# Altium PCB volt_sensor_breakout.PcbDoc (part 1 of 2) (continued)
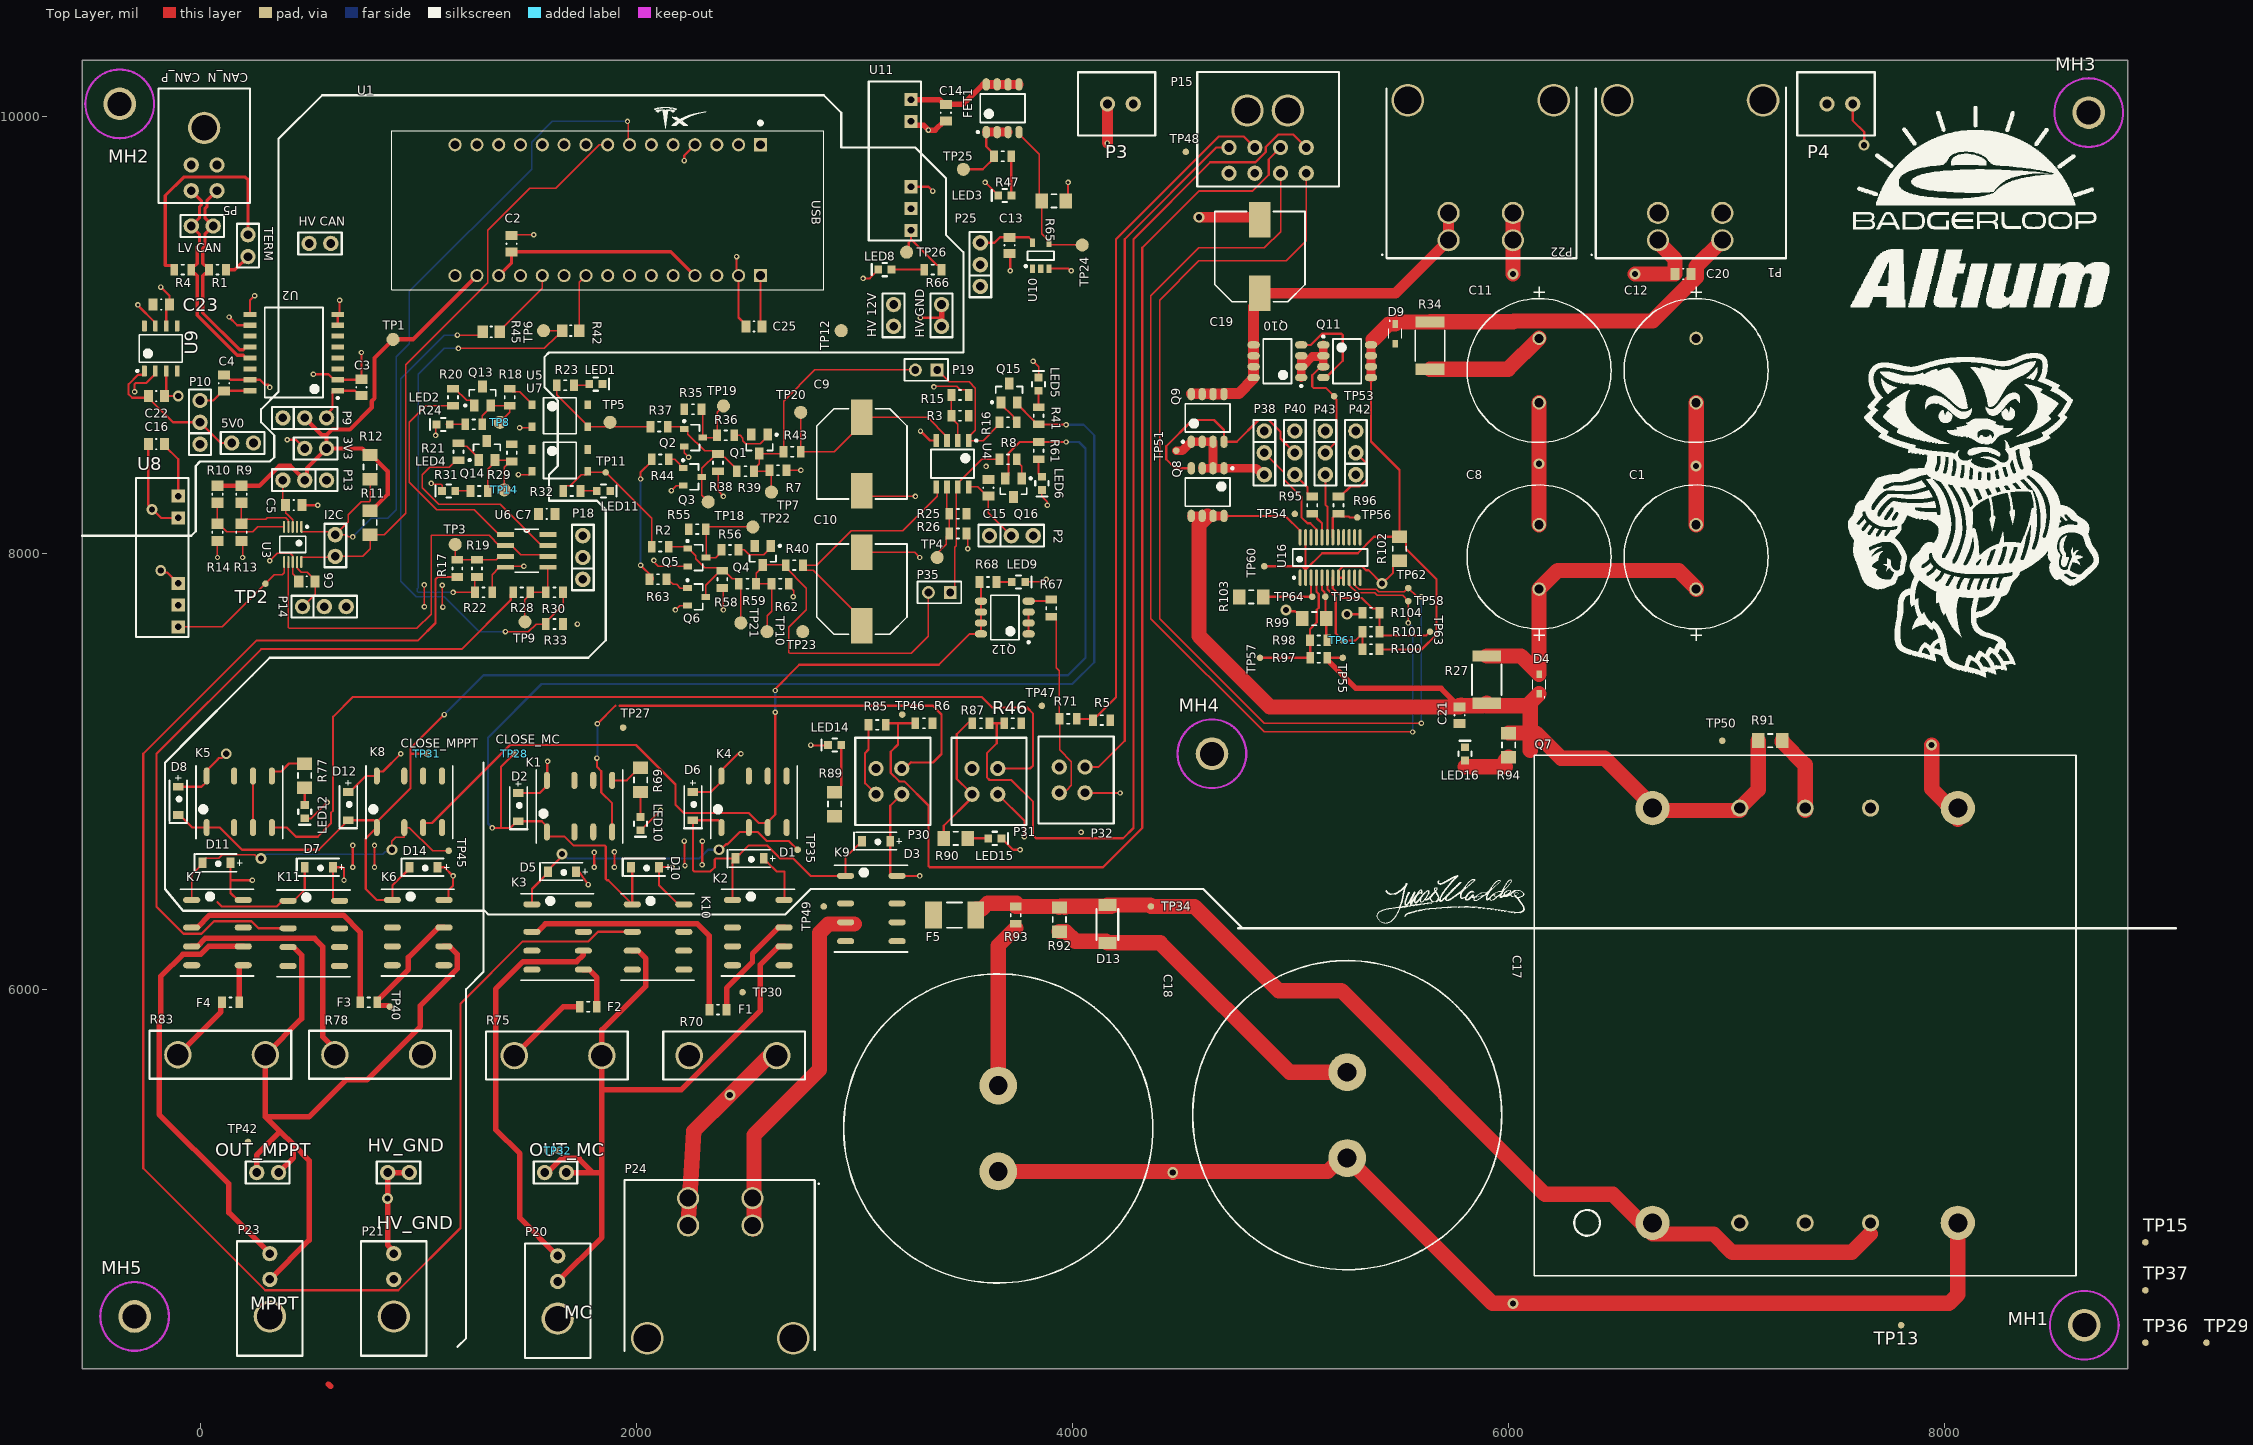
[diagram p0: Top Layer view]
## Part data (continued)
R1 R4: library part CMP-009-01480-1, "RES SMD 60.4 OHM 1% 1/8W 0805", Digi-Key Part Number=P60.4CCT-ND, Manufacturer="Panasonic Electronic Components", Operating Temperature="-55°C ~ 155°C", Package / Case="0805 (2012 Metric)", Power (Watts)="0.125W, 1/8W", Supplier Device Package=0805, Temperature Coefficient=±100ppm/°C, Tolerance=1%, @ qty=1500, Composition="Thick Film", Datasheets=http://industrial.panasonic.com/www-cgi/jvcr13pz.cgi?E+PZ+3+AOA0002+ERJ6ENF60R4V+7+WW, Design Item ID=ERJ-6ENF60R4V, Factory Stock=0, Failure Rate=-, Features="Automotive AEC-Q200", Height - Seated (Max)="0.028\" (0.70mm)", Image=//media.digikey.com/Renders/Panasonic%20Renders/ERJ-0805%20Pkg.jpg, Minimum Quantity=1, Number of Terminations=2, Packaging="Cut Tape (CT)", Part Number=ERJ-6ENF60R4V, Part Status=Active, Quantity Available=57422, Series=ERJ, Size / Dimension="0.079\" L x 0.049\" W (2.00mm x 1.25mm)", Source=resistors.SchLib, Unit Price (USD)=0.00729
R2 R37: library part CMP-009-01342-1, "RES SMD 3.6K OHM 1% 1/8W 0805", Digi-Key Part Number=P3.60KCCT-ND, Manufacturer="Panasonic Electronic Components", Operating Temperature="-55°C ~ 155°C", Package / Case="0805 (2012 Metric)", Power (Watts)="0.125W, 1/8W", Supplier Device Package=0805, Temperature Coefficient=±100ppm/°C, Tolerance=1%, @ qty=1500, Composition="Thick Film", Datasheets=http://industrial.panasonic.com/www-cgi/jvcr13pz.cgi?E+PZ+3+AOA0002+ERJ6ENF3601V+7+WW, Design Item ID=ERJ-6ENF3601V, Factory Stock=0, Failure Rate=-, Features="Automotive AEC-Q200", Height - Seated (Max)="0.028\" (0.70mm)", Image=//media.digikey.com/Renders/Panasonic%20Renders/ERJ-0805%20Pkg.jpg, Minimum Quantity=1, Number of Terminations=2, Packaging="Cut Tape (CT)", Part Number=ERJ-6ENF3601V, Part Status=Active, Quantity Available=32253, Series=ERJ, Size / Dimension="0.079\" L x 0.049\" W (2.00mm x 1.25mm)", Source=resistors.SchLib, Unit Price (USD)=0.00729
R3 R15 R25 R26: library part ERJ-6ENF6651V, "RES SMD 6.65K OHM 1% 1/8W 0805", Digi-Key Part Number=P6.65KCCT-ND, Manufacturer="Panasonic Electronic Components", Operating Temperature="-55°C ~ 155°C", Package / Case="0805 (2012 Metric)", Power (Watts)="0.125W, 1/8W", Supplier Device Package=0805, Temperature Coefficient=±100ppm/°C, Tolerance=±1%, @ qty=1500, Composition="Thick Film", Datasheets=http://industrial.panasonic.com/www-cgi/jvcr13pz.cgi?E+PZ+3+AOA0002+ERJ6ENF6651V+7+WW, Factory Stock=0, Failure Rate=-, Features="Automotive AEC-Q200", Height - Seated (Max)="0.028\" (0.70mm)", Image=//media.digikey.com/Renders/Panasonic%20Renders/ERJ-0805%20Pkg.jpg, Minimum Quantity=1, Number of Terminations=2, Packaging="Cut Tape (CT)", Part Number=ERJ-6ENF6651V, Part Status=Active, Quantity Available=36879, Series=ERJ, Size / Dimension="0.079\" L x 0.049\" W (2.00mm x 1.25mm)", Unit Price (USD)=0.00729
R5 R6 R46: library part ERJ-6ENF2551V, "RES SMD 2.55K OHM 1% 1/8W 0805", Digi-Key Part Number=P2.55KCCT-ND, Manufacturer="Panasonic Electronic Components", Operating Temperature="-55°C ~ 155°C", Package / Case="0805 (2012 Metric)", Power (Watts)="0.125W, 1/8W", Supplier Device Package=0805, Temperature Coefficient=±100ppm/°C, Tolerance=±1%, @ qty=1500, Composition="Thick Film", Datasheets=http://industrial.panasonic.com/www-cgi/jvcr13pz.cgi?E+PZ+3+AOA0002+ERJ6ENF2551V+7+WW, Factory Stock=0, Failure Rate=-, Features="Automotive AEC-Q200", Height - Seated (Max)="0.028\" (0.70mm)", Image=//media.digikey.com/Renders/Panasonic%20Renders/ERJ-0805%20Pkg.jpg, Minimum Quantity=1, Number of Terminations=2, Packaging="Cut Tape (CT)", Part Number=ERJ-6ENF2551V, Part Status=Active, Quantity Available=10942, Series=ERJ, Size / Dimension="0.079\" L x 0.049\" W (2.00mm x 1.25mm)", Unit Price (USD)=0.00729
R7 R8 R16 R18 R29 R35 R36 R39 R40 R44 R55 R56 R59 R63 R67: library part CMP-009-02659-1, "RES SMD 1K OHM 1% 1/2W 0805", Digi-Key Part Number=P16058CT-ND, Manufacturer="Panasonic Electronic Components", Operating Temperature="-55°C ~ 155°C", Package / Case="0805 (2012 Metric)", Power (Watts)="0.5W, 1/2W", Supplier Device Package=0805, Temperature Coefficient=±100ppm/°C, Tolerance=1%, @ qty=1500, Composition="Thick Film", Datasheets=https://industrial.panasonic.com/cdbs/www-data/pdf/RDA0000/AOA0000C243.pdf, Design Item ID=ERJ-P06F1001V, Factory Stock=0, Failure Rate=-, Features="Automotive AEC-Q200, Pulse Withstanding", Image=//media.digikey.com/Renders/Panasonic%20Renders/ERJ-0805%20Pkg.jpg, Minimum Quantity=1, Number of Terminations=2, Packaging="Cut Tape (CT)", Part Number=ERJ-P06F1001V, Part Status=Active, Quantity Available=161264, Series=ERJ, Source=resistors.SchLib, Unit Price (USD)=0.02534
  R7 R8 R16 R35 R36 R39 R40 R44 R55 R56 R59 R63 R67: Height - Seated (Max)="0.028\" (0.70mm)", Size / Dimension="0.079\" L x 0.049\" W (2.00mm x 1.25mm)"
R9 R10 R13 R14 R42 R45: library part CMP-009-00007-5, "Chip Resistor, 0 Ohm, 0.125 W, -55 to 155 degC, 0805 (2012 Metric)", Case/Package=0805, Max Operating Temperature=155°C, Min Operating Temperature=-55°C, Power=125mW, Tolerance=5%, Voltage Rating=50V, Mounting Technology=SM, Pins=2, RoHS Compliant=True
R11 R12: library part CMP-009-00681-1, "RES SMD 10K OHM 5% 2/3W 1206", Digi-Key Part Number=P10KALCT-ND, Manufacturer="Panasonic Electronic Components", Operating Temperature="-55°C ~ 155°C", Package / Case="1206 (3216 Metric)", Power (Watts)="0.667W, 2/3W", Supplier Device Package=1206, Temperature Coefficient=±200ppm/°C, Tolerance=5%, @ qty=1500, Composition="Thick Film", Datasheets=https://industrial.panasonic.com/cdbs/www-data/pdf/RDA0000/AOA0000C243.pdf, Design Item ID=ERJ-P08J103V, Factory Stock=0, Failure Rate=-, Features="Automotive AEC-Q200, Pulse Withstanding", Image=//media.digikey.com/Renders/Panasonic%20Renders/ERJ-1206%20Pkg.jpg, Minimum Quantity=1, Number of Terminations=2, Packaging="Cut Tape (CT)", Part Number=ERJ-P08J103V, Part Status=Active, Quantity Available=46069, Series=ERJ, Source=resistors.SchLib, Unit Price (USD)=0.02178
R17 R19 R22 R28 R30 R33: library part CMP-009-01751-1, "RES SMD 7.5K OHM 5% 1/8W 0805", Digi-Key Part Number=P7.5KACT-ND, Manufacturer="Panasonic Electronic Components", Operating Temperature="-55°C ~ 155°C", Package / Case="0805 (2012 Metric)", Power (Watts)="0.125W, 1/8W", Supplier Device Package=0805, Temperature Coefficient=±200ppm/°C, Tolerance=5%, @ qty=1500, Composition="Thick Film", Datasheets=http://industrial.panasonic.com/www-cgi/jvcr13pz.cgi?E+PZ+3+AOA0001+ERJ6GEYJ752V+7+WW, Design Item ID=ERJ-6GEYJ752V, Factory Stock=0, Failure Rate=-, Features="Automotive AEC-Q200", Image=//media.digikey.com/Renders/Panasonic%20Renders/ERJ-0805%20Pkg.jpg, Minimum Quantity=1, Number of Terminations=2, Packaging="Cut Tape (CT)", Part Number=ERJ-6GEYJ752V, Part Status=Active, Quantity Available=39543, Series=ERJ, Source=resistors.SchLib, Unit Price (USD)=0.00496
R20 R21 R95 R96: library part ERJ-6GEYJ100V, "RES SMD 10 OHM 5% 1/8W 0805", Digi-Key Part Number=P10ACT-ND, Manufacturer="Panasonic Electronic Components", Operating Temperature="-55°C ~ 155°C", Package / Case="0805 (2012 Metric)", Power (Watts)="0.125W, 1/8W", Supplier Device Package=0805, Temperature Coefficient=±200ppm/°C, Tolerance=±5%, @ qty=1500, Composition="Thick Film", Datasheets=http://industrial.panasonic.com/www-cgi/jvcr13pz.cgi?E+PZ+3+AOA0001+ERJ6GEYJ100V+7+WW, Factory Stock=0, Failure Rate=-, Features="Automotive AEC-Q200", Height - Seated (Max)="0.028\" (0.70mm)", Image=//media.digikey.com/Renders/Panasonic%20Renders/ERJ-0805%20Pkg.jpg, Minimum Quantity=1, Number of Terminations=2, Packaging="Cut Tape (CT)", Part Number=ERJ-6GEYJ100V, Part Status=Active, Quantity Available=282033, Series=ERJ, Size / Dimension="0.079\" L x 0.049\" W (2.00mm x 1.25mm)", Unit Price (USD)=0.00496
R23 R24 R31 R32 R41 R47 R61 R66 R68: library part CMP-009-00645-1, "RES SMD 510 OHM 5% 1/2W 0805", Digi-Key Part Number=P510ADCT-ND, Manufacturer="Panasonic Electronic Components", Operating Temperature="-55°C ~ 155°C", Package / Case="0805 (2012 Metric)", Power (Watts)="0.5W, 1/2W", Supplier Device Package=0805, Temperature Coefficient=±200ppm/°C, Tolerance=5%, @ qty=1500, Composition="Thick Film", Datasheets=https://industrial.panasonic.com/cdbs/www-data/pdf/RDA0000/AOA0000C243.pdf, Design Item ID=ERJ-P06J511V, Factory Stock=0, Failure Rate=-, Features="Automotive AEC-Q200, Pulse Withstanding", Height - Seated (Max)="0.028\" (0.70mm)", Image=//media.digikey.com/Renders/Panasonic%20Renders/ERJ-0805%20Pkg.jpg, Minimum Quantity=1, Number of Terminations=2, Packaging="Cut Tape (CT)", Part Number=ERJ-P06J511V, Part Status=Active, Quantity Available=54515, Series=ERJ, Size / Dimension="0.079\" L x 0.049\" W (2.00mm x 1.25mm)", Source=resistors.SchLib, Unit Price (USD)=0.01839
R27 R34: library part CMP-009-02795-1, "Fixed Resistor, Metal Glaze/thick Film, 1W, 5.6ohm, 200V, 5% +/-Tol, 400ppm/Cel, Surface Mount, 2512", Max Operating Temperature=155°C, Min Operating Temperature=-55°C, Tolerance=5%, RoHS Compliant=Yes
R38 R43 R58 R62: library part CMP-009-01343-1, "RES SMD 36K OHM 1% 1/8W 0805", Digi-Key Part Number=P36.0KCCT-ND, Manufacturer="Panasonic Electronic Components", Operating Temperature="-55°C ~ 155°C", Package / Case="0805 (2012 Metric)", Power (Watts)="0.125W, 1/8W", Supplier Device Package=0805, Temperature Coefficient=±100ppm/°C, Tolerance=1%, @ qty=1500, Composition="Thick Film", Datasheets=http://industrial.panasonic.com/www-cgi/jvcr13pz.cgi?E+PZ+3+AOA0002+ERJ6ENF3602V+7+WW, Design Item ID=ERJ-6ENF3602V, Factory Stock=0, Failure Rate=-, Features="Automotive AEC-Q200", Height - Seated (Max)="0.028\" (0.70mm)", Image=//media.digikey.com/Renders/Panasonic%20Renders/ERJ-0805%20Pkg.jpg, Minimum Quantity=1, Number of Terminations=2, Packaging="Cut Tape (CT)", Part Number=ERJ-6ENF3602V, Part Status=Active, Quantity Available=42552, Series=ERJ, Size / Dimension="0.079\" L x 0.049\" W (2.00mm x 1.25mm)", Source=resistors.SchLib, Unit Price (USD)=0.00729
R65: library part CMP-009-01876-1, "RES SMD 10K OHM 1% 1/4W 1206", Digi-Key Part Number=P10.0KFCT-ND, Manufacturer="Panasonic Electronic Components", Operating Temperature="-55°C ~ 155°C", Package / Case="1206 (3216 Metric)", Power (Watts)="0.25W, 1/4W", Supplier Device Package=1206, Temperature Coefficient=±100ppm/°C, Tolerance=1%, @ qty=1500, Composition="Thick Film", Datasheets=http://industrial.panasonic.com/www-cgi/jvcr13pz.cgi?E+PZ+3+AOA0002+ERJ8ENF1002V+7+WW, Design Item ID=ERJ-8ENF1002V, Factory Stock=0, Failure Rate=-, Features="Automotive AEC-Q200", Height - Seated (Max)="0.028\" (0.70mm)", Image=//media.digikey.com/Renders/Panasonic%20Renders/ERJ-1206%20Pkg.jpg, Minimum Quantity=1, Number of Terminations=2, Packaging="Cut Tape (CT)", Part Number=ERJ-8ENF1002V, Part Status=Active, Quantity Available=1108398, Series=ERJ, Size / Dimension="0.126\" L x 0.063\" W (3.20mm x 1.60mm)", Source=resistors.SchLib, Unit Price (USD)=0.00933
R69 R77 R89 R90 R94: "Fixed Resistor, Metal Glaze/thick Film, 0.25W, 510ohm, 200V, 1% +/-Tol, 100ppm/Cel, Surface Mount, 1206", Manufacturer="Stackpole Electronics", Max Operating Temperature=155°C, Min Operating Temperature=-55°C, Package Height=0.55mm, Package Length=3.2mm, Package Shape=Rectangular, Package Style=SMTMeter, Package Width=1.6mm, Rated Power Dissipation (P)=250mW, Rated Temperature=70°C, Resistance=510, Resistor Type="FIXED RESISTOR", Supplier Part Number 1=RMCF1206FT510RCT-ND, Temperature Coefficient=100ppm/°C, Tolerance=1%, Working Voltage=200V, Category="Chip SMD Resistors", ComponentLink1Description=https://datasheet.ciiva.com:443/pdfs/VipMasterIC/IC/SEIE/SEIE-S-A0009541969/SEIE-S-A0009541969-1.pdf?src-supplier=IHS+Markit, ComponentLink1URL=https://datasheet.ciiva.com:443/pdfs/VipMasterIC/IC/SEIE/SEIE-S-A0009541969/SEIE-S-A0009541969-1.pdf?src-supplier=IHS+Markit, ComponentLink2Description=http://components.arrow.com/part/dataview/40948710S9551678N1174?src-supplier=Arrow+Electronics, ComponentLink2URL=http://components.arrow.com/part/dataview/40948710S9551678N1174?src-supplier=Arrow+Electronics, ComponentLink3Description=https://www.seielect.com/Catalog/SEI-RMCF_RMCP.pdf?src-supplier=Digi-Key, ComponentLink3URL=https://www.seielect.com/Catalog/SEI-RMCF_RMCP.pdf?src-supplier=Digi-Key, ComponentLink4Description=https://www.seielect.com/catalog/SEI-Packaging.pdf?src-supplier=Digi-Key, ComponentLink4URL=https://www.seielect.com/catalog/SEI-Packaging.pdf?src-supplier=Digi-Key, ComponentLink5Description=https://www.seielect.com/catalog/SEI-RMCF_RMCP.pdf?src-supplier=Avnet, ComponentLink5URL=https://www.seielect.com/catalog/SEI-RMCF_RMCP.pdf?src-supplier=Avnet, Construction=Rectangular, JESD-609 Code=e3, Manufacturer Part Number=RMCF1206FT510R, Mount="Surface Mount", Number of Pins=2, Packaging="Tape and Reel", Pricing 1="1=0.10000, 10=0.03600, 100=0.01460, 1000=0.00655, 2500=0.00569 (USD)", REACH SVHC=Yes, Reference Standard=AEC-Q200, RoHS=Yes, RoHS Compliant=Yes, Size Code=1206, Stock 1=51, Supplier 1=Digi-Key, Technology="METAL GLAZE/THICK FILM", Terminal Finish=Nickel, Termination=Wraparound
R70 R75 R78 R83: "Fixed Resistor, 100W, 220ohm, 700V, 5% +/-Tol, 100ppm/Cel, Through Hole Mount", Manufacturer=Ohmite, Max Operating Temperature=175°C, Min Operating Temperature=-65°C, Package Shape=Rectangular, Rated Power Dissipation (P)=3.5W, Rated Temperature=25°C, Resistance=220R, Resistor Type="FIXED RESISTOR", Supplier Part Number 1=AP101220RJ-ND, Temperature Coefficient=100ppm/°C, Tolerance=5%, Working Voltage=700V, Category="Through-Hole Resistors", ComponentLink1Description=https://datasheet.ciiva.com:443/pdfs/VipMasterIC/IC/OMIT/OMIT-S-A0001298920/OMIT-S-A0001298920-1.pdf?src-supplier=IHS+Markit, ComponentLink1URL=https://datasheet.ciiva.com:443/pdfs/VipMasterIC/IC/OMIT/OMIT-S-A0001298920/OMIT-S-A0001298920-1.pdf?src-supplier=IHS+Markit, ComponentLink2Description=http://www.farnell.com/datasheets/2015590.pdf?src-supplier=Farnell, ComponentLink2URL=http://www.farnell.com/datasheets/2015590.pdf?src-supplier=Farnell, ComponentLink3Description=http://www.mouser.com/ds/2/303/acl_ap101-773331.pdf?src-supplier=Mouser, ComponentLink3URL=http://www.mouser.com/ds/2/303/acl_ap101-773331.pdf?src-supplier=Mouser, ComponentLink4Description=http://www.ohmite.com/cat/acl_ap101.pdf?src-supplier=Digi-Key, ComponentLink4URL=http://www.ohmite.com/cat/acl_ap101.pdf?src-supplier=Digi-Key, Manufacturer Part Number=AP101220RJ, Mount="Through Hole", Number of Pins=2, Pricing 1="1=6.63000, 10=6.21800, 35=5.80343, 70=5.11271, 105=4.42171, 245=4.00722, 455=3.73086, 945=3.67501 (USD)", REACH SVHC=Yes, RoHS=Yes, RoHS Compliant=Yes, Stock 1=44, Supplier 1=Digi-Key, Termination=Flat
R71 R85 R87: library part CRCW08053K46FKTA, "Fixed Resistor, Metal Glaze/thick Film, 0.125W, 3460ohm, 150V, 1% +/-Tol, 100ppm/Cel, Surface Mount, 0805", Manufacturer="Vishay Dale", Resistor Type="FIXED RESISTOR", Supplier Part Number 1=71-CRCW0805-3.46K, Category="Chip SMD Resistors", ComponentLink1Description=https://datasheet.ciiva.com:443/pdfs/VipMasterIC/IC/VISH/VISHS12541/VISHS12541-1.pdf?src-supplier=IHS+Markit, ComponentLink1URL=https://datasheet.ciiva.com:443/pdfs/VipMasterIC/IC/VISH/VISHS12541/VISHS12541-1.pdf?src-supplier=IHS+Markit, ComponentLink2Description=http://www.vishay.com/docs/20008/dcrcw.pdf?src-supplier=Digi-Key, ComponentLink2URL=http://www.vishay.com/docs/20008/dcrcw.pdf?src-supplier=Digi-Key, ComponentLink3Description=http://www.vishay.com/doc?20008?src-supplier=Mouser, ComponentLink3URL=http://www.vishay.com/doc?20008?src-supplier=Mouser, Manufacturer Part Number=CRCW08053K46FKTA, Number of Pins=2, Pricing 1="1=0.17000, 10=0.13500, 50=0.13500, 100=0.05200, 1000=0.02300, 10000=0.01900 (USD)", REACH SVHC="No SVHC", RoHS=No, RoHS Compliant=No, Stock 1=3820, Supplier 1=Mouser
R91: library part ERJ-8ENF9313V, "Fixed Resistor, Metal Glaze/thick Film, 0.5W, 470ohm, 200V, 1% +/-Tol, 100ppm/Cel, Surface Mount, 1206", Digi-Key Part Number=P931KFCT-ND, Manufacturer="Panasonic Electronic Components", Manufacturer Part Number=RCC1206470RFKEA, Operating Temperature="-55°C ~ 155°C", Package / Case="1206 (3216 Metric)", Power (Watts)="0.25W, 1/4W", Supplier Device Package=1206, Supplier Part Number 1=71-RCC1206470RFKEA, Temperature Coefficient=±100ppm/°C, Tolerance=±1%, @ qty=1500, Composition="Thick Film", Datasheets=http://industrial.panasonic.com/www-cgi/jvcr13pz.cgi?E+PZ+3+AOA0002+ERJ8ENF9313V+7+WW, Factory Stock=0, Failure Rate=-, Features="Automotive AEC-Q200", Height - Seated (Max)="0.028\" (0.70mm)", Image=//media.digikey.com/Renders/Panasonic%20Renders/ERJ-1206%20Pkg.jpg, Minimum Quantity=1, Number of Terminations=2, Packaging="Cut Tape (CT)", Part Number=ERJ-8ENF9313V, Part Status=Active, Pricing 1="1=0.32000, 10=0.27600, 50=0.27600, 100=0.10800, 250=0.10700, 1000=0.04500, 5000=0.04300, 10000=0.04300 (USD)", Quantity Available=20839, RoHS=Yes, Series=ERJ, Size / Dimension="0.126\" L x 0.063\" W (3.20mm x 1.60mm)", Stock 1=13044, Supplier 1=Mouser, Unit Price (USD)=0.00933
R92: library part HRG3216P-1000-D-T1, "Fixed Resistor, Thin Film, 1W, 100ohm, 200V, 0.5% +/-Tol, 25ppm/Cel, Surface Mount, 1206", Manufacturer=Susumu, Max Operating Temperature=155°C, Min Operating Temperature=-55°C, Package Height=0.4mm, Package Length=3.2mm, Package Style=SMTMeter, Package Width=1.6mm, Rated Power Dissipation (P)=1W, Rated Temperature=70°C, Resistor Type="FIXED RESISTOR", Supplier Part Number 1=408-1865-1-ND, Temperature Coefficient=25ppm/°C, Tolerance=0.5%, Working Voltage=200V, Additional Feature=ANTI-SULFUR, Category="Chip SMD Resistors", ComponentLink1Description=https://datasheet.ciiva.com:443/pdfs/VipMasterIC/IC/SUSU/SUSU-S-A0004582570/SUSU-S-A0004582570-1.pdf?src-supplier=IHS+Markit, ComponentLink1URL=https://datasheet.ciiva.com:443/pdfs/VipMasterIC/IC/SUSU/SUSU-S-A0004582570/SUSU-S-A0004582570-1.pdf?src-supplier=IHS+Markit, ComponentLink2Description=http://www.farnell.com/datasheets/2643250.pdf?src-supplier=Farnell, ComponentLink2URL=http://www.farnell.com/datasheets/2643250.pdf?src-supplier=Farnell, ComponentLink3Description=http://www.susumu.co.jp/common/pdf/n_catalog_partition24_en.pdf?src-supplier=Digi-Key, ComponentLink3URL=http://www.susumu.co.jp/common/pdf/n_catalog_partition24_en.pdf?src-supplier=Digi-Key, ComponentLink4Description=http://www.farnell.com/datasheets/2643250.pdf?src-supplier=Newark, ComponentLink4URL=http://www.farnell.com/datasheets/2643250.pdf?src-supplier=Newark, ComponentLink5Description=http://www.farnell.com/datasheets/2643250.pdf?src-supplier=Element14, ComponentLink5URL=http://www.farnell.com/datasheets/2643250.pdf?src-supplier=Element14, Construction=Rectangular, Manufacturer Part Number=HRG3216P-1000-D-T1, Mount="Surface Mount", Number of Pins=2, Packaging="Tape and Reel", Pricing 1="1=0.88000, 10=0.76200, 100=0.53130 (USD)", REACH SVHC=Yes, Reference Standard=AEC-Q200, Resistance=100R, RoHS=Yes, RoHS Compliant=Yes, Size Code=1206, Stock 1=24654, Supplier 1=Digi-Key, Technology="THIN FILM", Termination=Wraparound
R93: library part PCAN0805K3R00FST5, "Fixed Resistor", Manufacturer="Vishay Dale Thin Film", Manufacturer Series=PCAN, Resistor Type="FIXED RESISTOR", Supplier Part Number 1=764-1232-2-ND, Category="Chip SMD Resistors", ComponentLink1Description=https://datasheet.ciiva.com:443/pdfs/VipMasterIC/IC/VISH/VISH-S-A0001545402/VISH-S-A0001545402-1.pdf?src-supplier=IHS+Markit, ComponentLink1URL=https://datasheet.ciiva.com:443/pdfs/VipMasterIC/IC/VISH/VISH-S-A0001545402/VISH-S-A0001545402-1.pdf?src-supplier=IHS+Markit, ComponentLink2Description=http://www.vishay.com/docs/60125/pcan.pdf?src-supplier=Digi-Key, ComponentLink2URL=http://www.vishay.com/docs/60125/pcan.pdf?src-supplier=Digi-Key, ComponentLink3Description=http://www.vishay.com/docs/49563/_pcan_vmn-pt0416.pdf?src-supplier=Digi-Key, ComponentLink3URL=http://www.vishay.com/docs/49563/_pcan_vmn-pt0416.pdf?src-supplier=Digi-Key, Manufacturer Part Number=PCAN0805K3R00FST5, Number of Pins=2, Pricing 1="500=1.51200, 1000=1.31040 (USD)", REACH SVHC="No SVHC", RoHS=Yes, RoHS Compliant=Yes, Stock 1=1500, Supplier 1=Digi-Key
R97 R100: library part CRCW08051M00FKEAC, "RES 1M OHM 1% 1/8W 0805", Manufacturer=Vishay, Max Operating Temperature=155°C, Min Operating Temperature=-55°C, Package Height=0.5mm, Package Length=2mm, Package Style=SMTMeter, Package Width=1.25mm, Rated Power Dissipation (P)=125mW, Resistor Type="FIXED RESISTOR", Supplier Part Number 1=541-4135-1-ND, Temperature Coefficient=-100100ppm/°C, Tolerance=1%, Working Voltage=150V, Category="Chip SMD Resistors", ComponentLink1Description=https://datasheet.ciiva.com:443/pdfs/VipMasterIC/IC/VISH/VISH-S-A0003599164/VISH-S-A0003599164-1.pdf?src-supplier=IHS+Markit, ComponentLink1URL=https://datasheet.ciiva.com:443/pdfs/VipMasterIC/IC/VISH/VISH-S-A0003599164/VISH-S-A0003599164-1.pdf?src-supplier=IHS+Markit, ComponentLink2Description=http://www.vishay.com/docs/28773/crcwce3.pdf?src-supplier=Digi-Key, ComponentLink2URL=http://www.vishay.com/docs/28773/crcwce3.pdf?src-supplier=Digi-Key, ComponentLink3Description=http://www.vishay.com/docs/20035/dcrcwe3.pdf?src-supplier=Avnet, ComponentLink3URL=http://www.vishay.com/docs/20035/dcrcwe3.pdf?src-supplier=Avnet, Construction=Chip, JESD-609 Code=e3, Manufacturer Part Number=CRCW08051M00FKEAC, Number of Pins=2, Packaging="Tape and Reel", Pricing 1="1=0.10000, 10=0.06300, 100=0.02540, 1000=0.01143, 2500=0.00992 (USD)", REACH SVHC=Yes, Resistance=1MR, RoHS=Yes, RoHS Compliant=Yes, Size Code=0805, Stock 1=15539, Supplier 1=Digi-Key, Technology="METAL GLAZE/THICK FILM", Terminal Finish=Nickel
R98: library part CRCW080537K4FKEA, "RES SMD 37.4K OHM 1% 1/8W 0805", Manufacturer=Vishay, Max Operating Temperature=155°C, Min Operating Temperature=-55°C, Package Height=0.45mm, Package Length=2mm, Package Shape=Rectangular, Package Style=SMTMeter, Package Width=1.25mm, Rated Power Dissipation (P)=125mW, Rated Temperature=70°C, Resistor Type="FIXED RESISTOR", Supplier Part Number 1=541-37.4KCCT-ND, Temperature Coefficient=100ppm/°C, Tolerance=1%, Working Voltage=150V, Category="Chip SMD Resistors", ComponentLink1Description=https://datasheet.ciiva.com:443/pdfs/VipMasterIC/IC/VISH/VISH-S-A0007266705/VISH-S-A0007266705-1.pdf?src-supplier=IHS+Markit, ComponentLink1URL=https://datasheet.ciiva.com:443/pdfs/VipMasterIC/IC/VISH/VISH-S-A0007266705/VISH-S-A0007266705-1.pdf?src-supplier=IHS+Markit, ComponentLink2Description=https://datasheet.ciiva.com/9012/dcrcwe3-9012831.pdf?src-supplier=Avnet, ComponentLink2URL=https://datasheet.ciiva.com/9012/dcrcwe3-9012831.pdf?src-supplier=Avnet, ComponentLink3Description=https://datasheet.ciiva.com/7725/66915-7725943.pdf?src-supplier=Element14, ComponentLink3URL=https://datasheet.ciiva.com/7725/66915-7725943.pdf?src-supplier=Element14, ComponentLink4Description=https://datasheet.ciiva.com/22705/1697337-22705877.pdf?src-supplier=Element14, ComponentLink4URL=https://datasheet.ciiva.com/22705/1697337-22705877.pdf?src-supplier=Element14, ComponentLink5Description=https://datasheet.ciiva.com/22674/1912744-22674621.pdf?src-supplier=Element14, ComponentLink5URL=https://datasheet.ciiva.com/22674/1912744-22674621.pdf?src-supplier=Element14, ComponentLink6Description=https://datasheet.ciiva.com/7671/1697337-7671694.pdf?src-supplier=Element14, ComponentLink6URL=https://datasheet.ciiva.com/7671/1697337-7671694.pdf?src-supplier=Element14, ComponentLink7Description=https://datasheet.ciiva.com/7671/1697337-7671695.pdf?src-supplier=Element14, ComponentLink7URL=https://datasheet.ciiva.com/7671/1697337-7671695.pdf?src-supplier=Element14, ComponentLink8Description=https://datasheet.ciiva.com/16395/dcrcwe3-16395353.pdf?src-supplier=Future+Electronics, ComponentLink8URL=https://datasheet.ciiva.com/16395/dcrcwe3-16395353.pdf?src-supplier=Future+Electronics, ComponentLink9Description=https://datasheet.ciiva.com/2525/dcrcwe3-2525821.pdf?src-supplier=Digi-Key, ComponentLink9URL=https://datasheet.ciiva.com/2525/dcrcwe3-2525821.pdf?src-supplier=Digi-Key, ComponentLink10Description=https://datasheet.ciiva.com/2525/dcrcwe3-2525822.pdf?src-supplier=Digi-Key, ComponentLink10URL=https://datasheet.ciiva.com/2525/dcrcwe3-2525822.pdf?src-supplier=Digi-Key, ComponentLink11Description=https://datasheet.ciiva.com/2525/dcrcwe3-2525823.pdf?src-supplier=Digi-Key, ComponentLink11URL=https://datasheet.ciiva.com/2525/dcrcwe3-2525823.pdf?src-supplier=Digi-Key, Construction=Chip, JESD-609 Code=e3, Manufacturer Part Number=CRCW080537K4FKEA, Mount="Surface Mount", Number of Pins=2, Packaging="Tape and Reel", Pricing 1="1=0.10000, 10=0.06700, 100=0.02710, 1000=0.01219, 2500=0.01058 (USD)", REACH SVHC=Yes, Reference Standard=AEC-Q200, Resistance=37.4kR, RoHS=Yes, RoHS Compliant=Yes, Size Code=0805, Stock 1=12211, Supplier 1=Digi-Key, Technology="METAL GLAZE/THICK FILM", Terminal Finish=Nickel, Termination=Wraparound
R99: library part ERJ-8ENF7322V, "RES SMD 73.2K OHM 1% 1/4W 1206", Digi-Key Part Number=P73.2KFCT-ND, Manufacturer="Panasonic Electronic Components", Operating Temperature="-55°C ~ 155°C", Package / Case="1206 (3216 Metric)", Power (Watts)="0.25W, 1/4W", Supplier Device Package=1206, Temperature Coefficient=±100ppm/°C, Tolerance=±1%, @ qty=1500, Composition="Thick Film", Datasheets=http://industrial.panasonic.com/www-cgi/jvcr13pz.cgi?E+PZ+3+AOA0002+ERJ8ENF7322V+7+WW, Factory Stock=0, Failure Rate=-, Features="Automotive AEC-Q200", Height - Seated (Max)="0.028\" (0.70mm)", Image=//media.digikey.com/Renders/Panasonic%20Renders/ERJ-1206%20Pkg.jpg, Minimum Quantity=1, Number of Terminations=2, Packaging="Cut Tape (CT)", Part Number=ERJ-8ENF7322V, Part Status=Active, Quantity Available=19226, Series=ERJ, Size / Dimension="0.126\" L x 0.063\" W (3.20mm x 1.60mm)", Unit Price (USD)=0.00933
R101: library part TNPW080514K2BEEA, "RES 14.2K OHM 0.1% 1/5W 0805", Manufacturer=Vishay, Max Operating Temperature=125°C, Min Operating Temperature=-55°C, Package Height=0.45mm, Package Length=2mm, Package Style=SMTMeter, Package Width=1.25mm, Rated Power Dissipation (P)=125mW, Rated Temperature=70°C, Resistor Type="FIXED RESISTOR", Supplier Part Number 1=71-TNPW080514K2BEEA, Temperature Coefficient=25ppm/°C, Tolerance=0.1%, Working Voltage=150V, Category="Chip SMD Resistors", ComponentLink1Description=https://datasheet.ciiva.com:443/pdfs/VipMasterIC/IC/VISH/VISH-S-A0002290253/VISH-S-A0002290253-1.pdf?src-supplier=IHS+Markit, ComponentLink1URL=https://datasheet.ciiva.com:443/pdfs/VipMasterIC/IC/VISH/VISH-S-A0002290253/VISH-S-A0002290253-1.pdf?src-supplier=IHS+Markit, ComponentLink2Description=http://www.mouser.com/ds/2/427/tnpw_e3-64594.pdf?src-supplier=Mouser, ComponentLink2URL=http://www.mouser.com/ds/2/427/tnpw_e3-64594.pdf?src-supplier=Mouser, ComponentLink3Description=http://www.vishay.com/docs/28758/tnpw_e3.pdf?src-supplier=Avnet, ComponentLink3URL=http://www.vishay.com/docs/28758/tnpw_e3.pdf?src-supplier=Avnet, ComponentLink4Description=http://www.vishay.com/docs/28758/tnpw_e3.pdf?src-supplier=Digi-Key, ComponentLink4URL=http://www.vishay.com/docs/28758/tnpw_e3.pdf?src-supplier=Digi-Key, ComponentLink5Description=http://www.vishay.com/docs/28758/tnpw_e3.pdf?src-supplier=Future+Electronics, ComponentLink5URL=http://www.vishay.com/docs/28758/tnpw_e3.pdf?src-supplier=Future+Electronics, Construction=Chip, Manufacturer Part Number=TNPW080514K2BEEA, Mount="Surface Mount", Number of Pins=2, Packaging="Tape and Reel", Pricing 1="1=0.75000, 10=0.54900, 50=0.54900, 100=0.35000, 1000=0.22100, 10000=0.21500 (USD)", REACH SVHC=Yes, Reference Standard=AEC-Q200, Resistance=14.2kR, RoHS=Yes, RoHS Compliant=Yes, Size Code=0805, Stock 1=1469, Supplier 1=Mouser, Technology="THIN FILM", Terminal Finish=Nickel, Termination=Wraparound
R102: library part ERJ-8ENF3301V, "RES SMD 3.3K OHM 1% 1/4W 1206", Digi-Key Part Number=P3.30KFCT-ND, Manufacturer="Panasonic Electronic Components", Operating Temperature="-55°C ~ 155°C", Package / Case="1206 (3216 Metric)", Power (Watts)="0.25W, 1/4W", Supplier Device Package=1206, Temperature Coefficient=±100ppm/°C, Tolerance=±1%, @ qty=1500, Composition="Thick Film", Datasheets=http://industrial.panasonic.com/www-cgi/jvcr13pz.cgi?E+PZ+3+AOA0002+ERJ8ENF3301V+7+WW, Factory Stock=0, Failure Rate=-, Features="Automotive AEC-Q200", Height - Seated (Max)="0.028\" (0.70mm)", Image=//media.digikey.com/Renders/Panasonic%20Renders/ERJ-1206%20Pkg.jpg, Minimum Quantity=1, Number of Terminations=2, Packaging="Cut Tape (CT)", Part Number=ERJ-8ENF3301V, Part Status=Active, Quantity Available=48879, Series=ERJ, Size / Dimension="0.126\" L x 0.063\" W (3.20mm x 1.60mm)", Unit Price (USD)=0.00933
R103: library part ERJ-8ENF2553V, "RES SMD 255K OHM 1% 1/4W 1206", Digi-Key Part Number=P255KFCT-ND, Manufacturer="Panasonic Electronic Components", Operating Temperature="-55°C ~ 155°C", Package / Case="1206 (3216 Metric)", Power (Watts)="0.25W, 1/4W", Supplier Device Package=1206, Temperature Coefficient=±100ppm/°C, Tolerance=±1%, @ qty=1500, Composition="Thick Film", Datasheets=http://industrial.panasonic.com/www-cgi/jvcr13pz.cgi?E+PZ+3+AOA0002+ERJ8ENF2553V+7+WW, Factory Stock=0, Failure Rate=-, Features="Automotive AEC-Q200", Height - Seated (Max)="0.028\" (0.70mm)", Image=//media.digikey.com/Renders/Panasonic%20Renders/ERJ-1206%20Pkg.jpg, Minimum Quantity=1, Number of Terminations=2, Packaging="Cut Tape (CT)", Part Number=ERJ-8ENF2553V, Part Status=Active, Quantity Available=49543, Series=ERJ, Size / Dimension="0.126\" L x 0.063\" W (3.20mm x 1.60mm)", Unit Price (USD)=0.00933